# Altium PCB STM32_LED_FROM MUSIC.PcbDoc
Units mm, origin at the board's own origin, x right, y up, seen from the top; angles counter-clockwise.
Board outline 90 x 95 mm, 2 copper layers (Top Layer, Bottom Layer); 50 components, 43 nets, 156 pads, 0 vias.
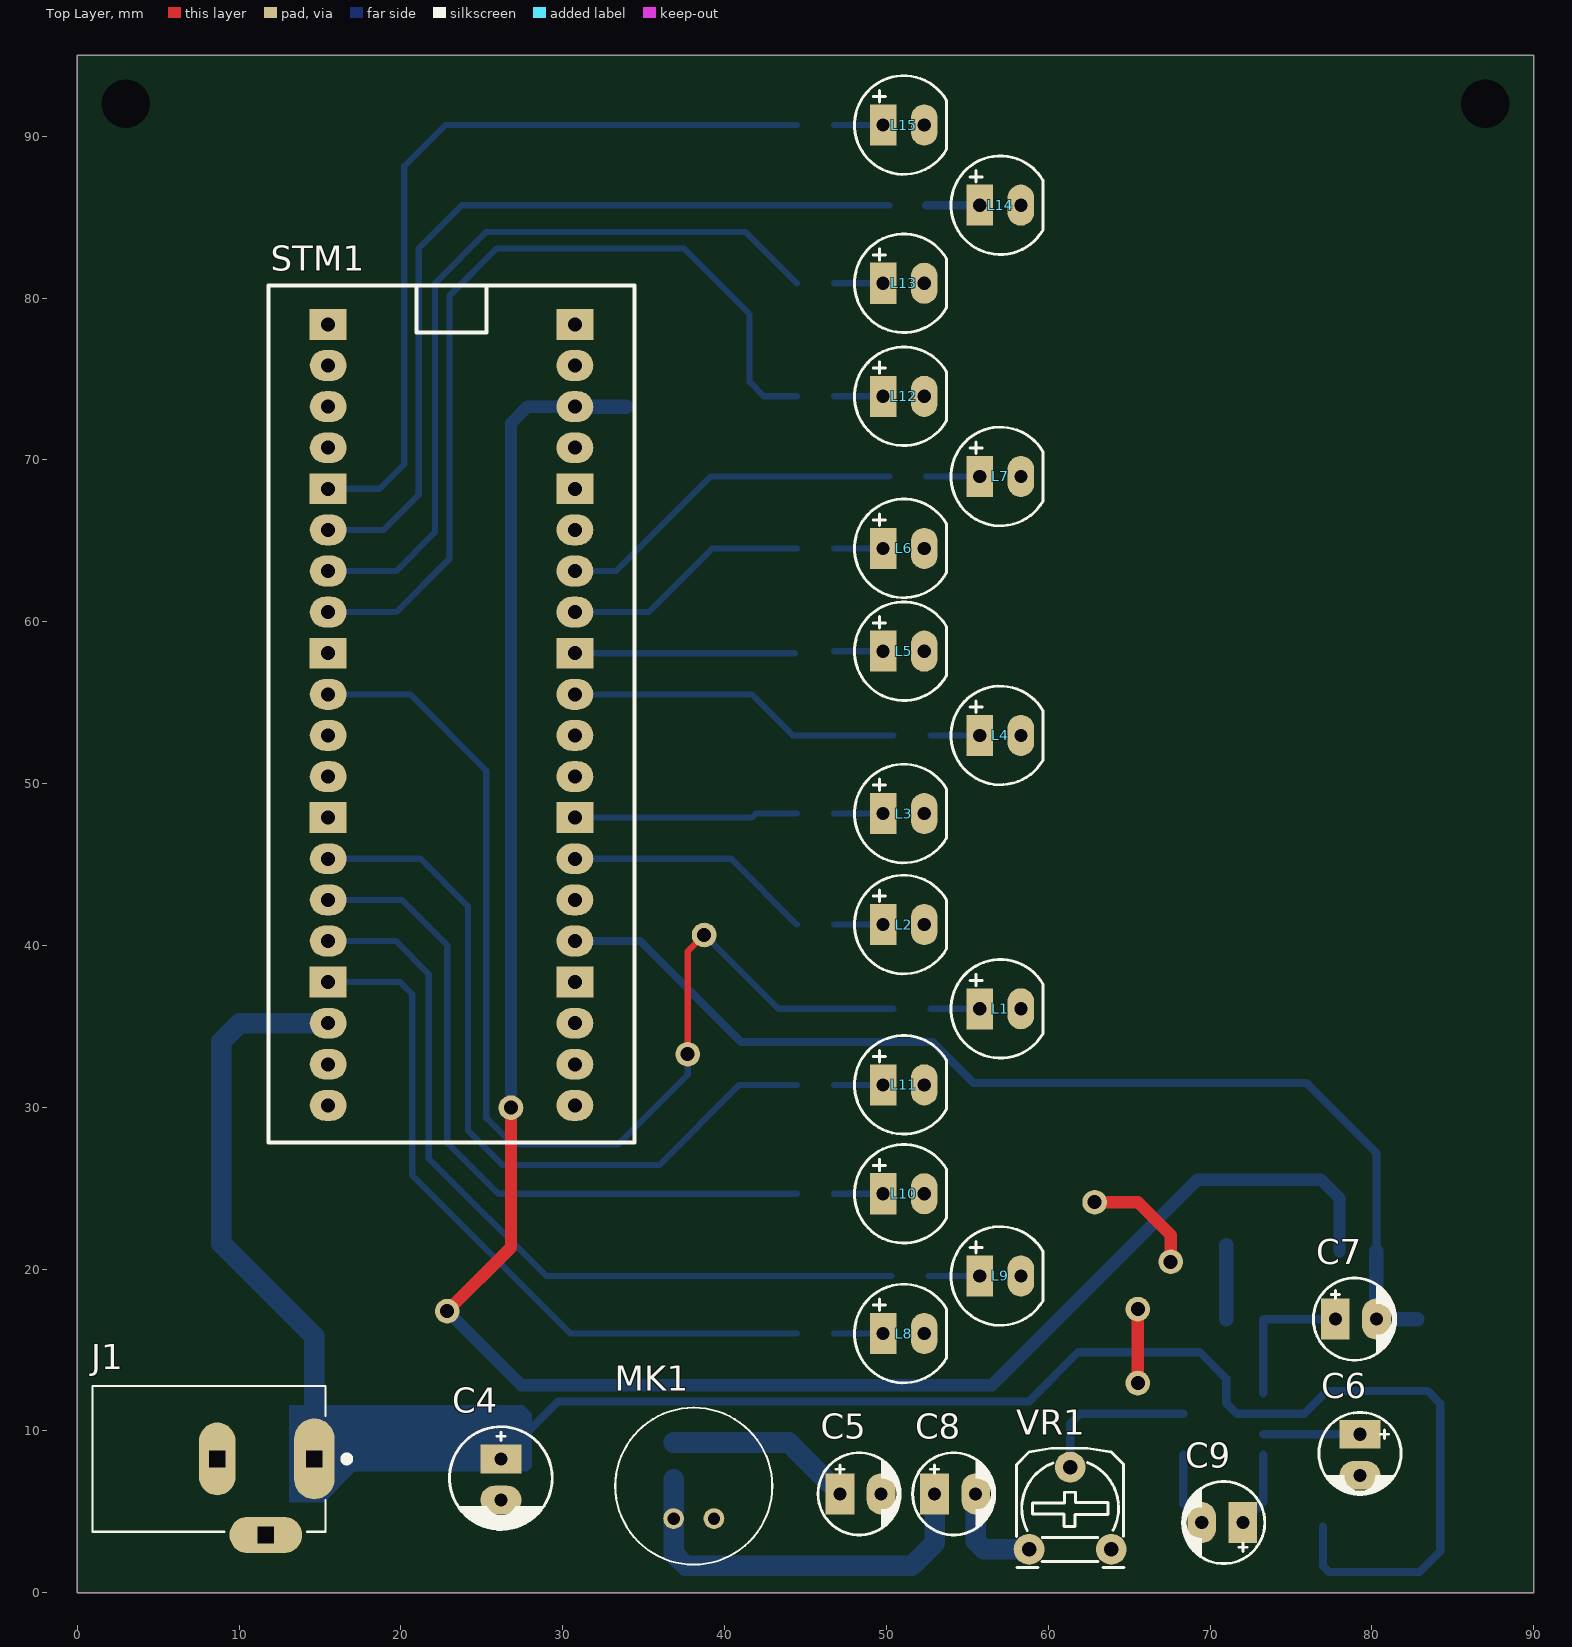
[diagram p0: Top Layer view]
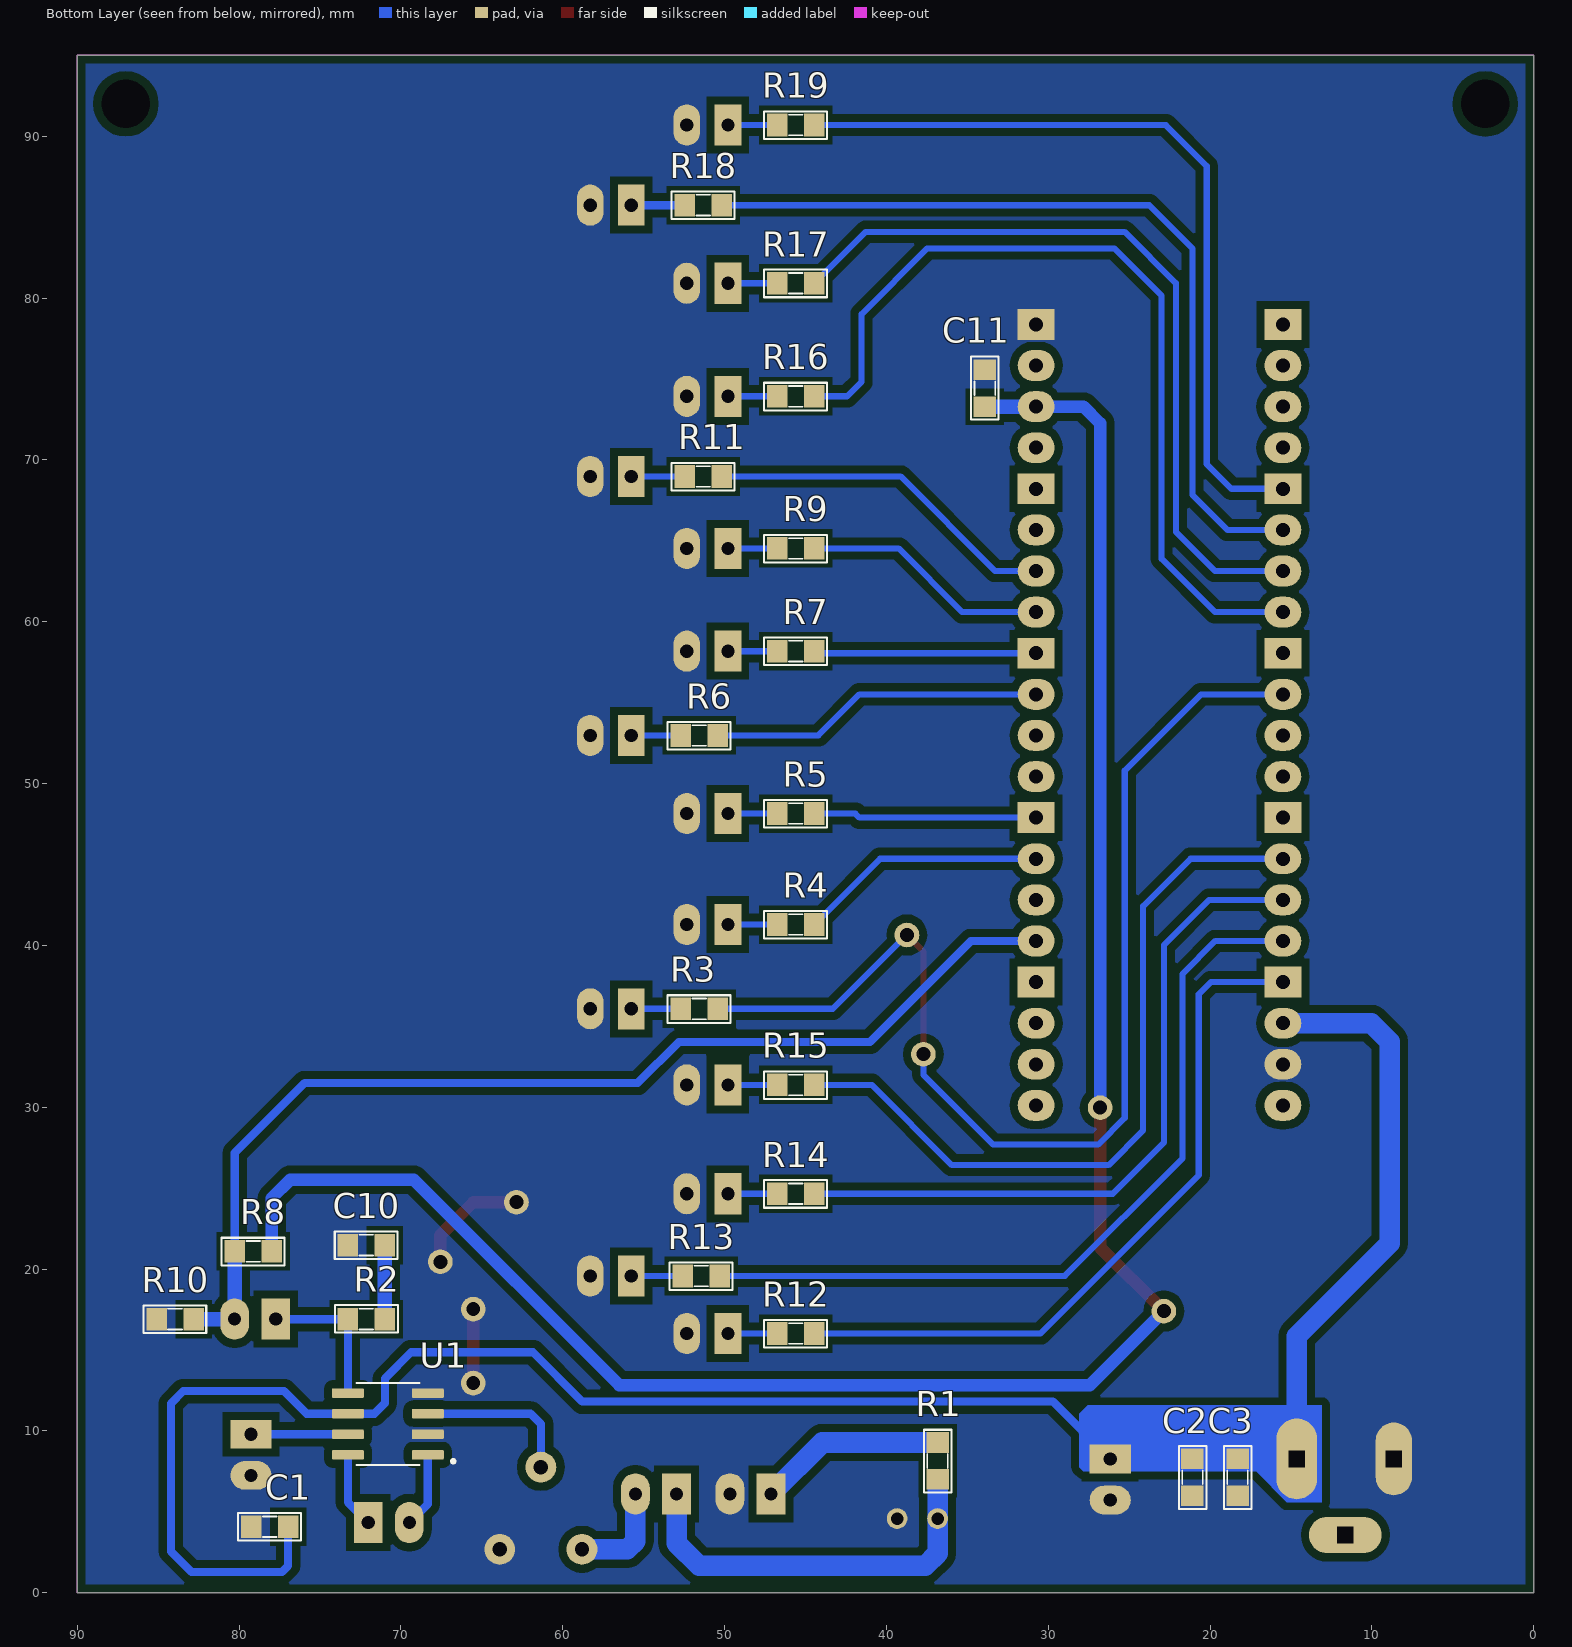
[diagram p1: Bottom Layer view, seen from below]

## Layer stack, top to bottom
Top Solder: solder mask 0.0102, Solder Resist, Dk 3.5
Top Layer: signal copper 0.0356
Dielectric 1: dielectric 0.32, FR-4, Dk 4.8
Bottom Layer: signal copper 0.0356
Bottom Solder: solder mask 0.0102, Solder Resist, Dk 3.5

## Board outline
0,0 0,95 90,95 90,0

## Design rules (kind name [scope] priority, off if disabled: settings)
Clearance Clearance_1 [All vs InPolygon] p1: gap=0.508 ignorepadtopadclearanceinfootprint=FALSE except(0: Arc-Hole Track-Hole SMDPad-Hole THPad-Hole Via-Hole Fill-Hole Poly-Hole Region-Hole Text-Hole)
Clearance [All] p2: gap=0.381 ignorepadtopadclearanceinfootprint=FALSE except(0: Arc-Hole Track-Hole SMDPad-Hole THPad-Hole Via-Hole Fill-Hole Poly-Hole Region-Hole Text-Hole)
PolygonConnect [All] p1: connectstyle=Direct reliefconductorwidth=0.254 reliefentries=4 polygonreliefangle="90 Angle" airgapwidth=0.254
RoomDefinition "STM32_LED_FROM MUSIC" [InComponentClass('STM32_LED_FROM MUSIC')] p1: confinementstyle=ConfineIn formatcopy=TRUE lockcomponents=FALSE outline 135.776,-25.133 175.908,-25.133 175.908,31.001 135.776,31.001
RoutingVias [All] p1: holewidth=0.711 width=0.508 viastyle="Through Hole" minholewidth=0.254 minwidth=0.254 maxholewidth=1.27 maxwidth=1.27
SolderMaskExpansion [All] p1: expansion=0.102 istentingtop=FALSE
Width [All] p1: maxlimit=2.54 minlimit=0.254 preferedwidth=1.27
30 further rules are at their usual default settings.

## Components (designator, comment, footprint, x,y, rotation, side; value= is the part's Value field where it differs from the comment)
C1 "104" "Cap Ceramic 0805" 78.118,4.077 r180 bottom
C2 "104" "Cap Ceramic 0805" 21.095,7.125 r90 bottom
C3 "104" "Cap Ceramic 0805" 18.301,7.125 r90 bottom
C4 "Radial 220uF/25V" "Radial 6.3x12mm" 26.175,6.998 r270 top
C5 "Radial 100uF/16V" "Radial 5x11mm" 48.4,6.109 r0 top
C6 "4.7uF/50V" "Radial 4.7uF/50V" 79.261,8.522 r270 top value=10uF/50V
C7 "Radial 100uF/16V" "Radial 5x11mm" 79.007,16.904 r0 top
C8 "4.7uF/50V" "Radial 4.7uF/50V" 54.242,6.109 r0 top value=10uF/50V
C9 "4.7uF/50V" "Radial 4.7uF/50V" 70.752,4.331 r180 top value=10uF/50V
C10 "104" "Cap Ceramic 0805" 72.136,21.476 r180 bottom
C11 "104" "Cap Ceramic 0805" 33.922,74.435 r270 bottom
J1 "JACK DC 5.5" "JACK DC" 14.649,8.268 r180 top
L1 "LED 5mm" LED-5MM-RED 55.766,36.081 r0 top
L2 "LED 5mm" LED-5MM-RED 49.797,41.288 r0 top
L3 "LED 5mm" LED-5MM-RED 49.797,48.146 r0 top
L4 "LED 5mm" LED-5MM-RED 55.766,52.972 r0 top
L5 "LED 5mm" LED-5MM-RED 49.797,58.179 r0 top
L6 "LED 5mm" LED-5MM-RED 49.797,64.529 r0 top
L7 "LED 5mm" LED-5MM-RED 55.766,68.974 r0 top
L8 "LED 5mm" LED-5MM-RED 49.797,16.015 r0 top
L9 "LED 5mm" LED-5MM-RED 55.766,19.571 r0 top
L10 "LED 5mm" LED-5MM-RED 49.797,24.651 r0 top
L11 "LED 5mm" LED-5MM-RED 49.797,31.382 r0 top
L12 "LED 5mm" LED-5MM-RED 49.797,73.927 r0 top
L13 "LED 5mm" LED-5MM-RED 49.797,80.912 r0 top
L14 "LED 5mm" LED-5MM-RED 55.766,85.738 r0 top
L15 "LED 5mm" LED-5MM-RED 49.797,90.691 r0 top
MK1 "MIC_CMA-6542PF" CUI_CMA-6542PF 38.093,6.585 r90 top
R1 "4.7k" Res_0805 36.843,8.141 r90 bottom
R2 "22R" Res_0805 72.136,16.904 r0 bottom
R3 "10K" Res_0805 51.575,36.081 r180 bottom
R4 "10K" Res_0805 45.606,41.288 r180 bottom
R5 "10K" Res_0805 45.606,48.146 r180 bottom
R6 "10K" Res_0805 51.575,52.972 r180 bottom
R7 "10K" Res_0805 45.606,58.179 r180 bottom
R8 "10K" Res_0805 79.134,21.095 r180 bottom
R9 "10K" Res_0805 45.606,64.529 r180 bottom
R10 "10K" Res_0805 83.96,16.904 r180 bottom
R11 "10K" Res_0805 51.321,68.974 r180 bottom
R12 "10K" Res_0805 45.606,16.015 r180 bottom
R13 "10K" Res_0805 51.448,19.571 r180 bottom
R14 "10K" Res_0805 45.606,24.651 r180 bottom
R15 "10K" Res_0805 45.606,31.382 r180 bottom
R16 "10K" Res_0805 45.606,73.927 r180 bottom
R17 "10K" Res_0805 45.606,80.912 r180 bottom
R18 "10K" Res_0805 51.321,85.738 r180 bottom
R19 "10K" Res_0805 45.606,90.691 r180 bottom
STM1 "KIT STM32" "STM32 blue pill" 23,53.48 r0 top
U1 "LM386" LM358SMD 70.809,10.427 r0 bottom
VR1 "10K" "Bien Tro Tam Giac Dung" 58.814,2.68 r0 top

## Footprints (in the part's own frame and the unit in brackets; to place one, negate y for a bottom-side part, rotate by r counter-clockwise, add the part's x,y. Pads: shape width x height; smd on the part's side, far side on the other; paste and mask are expansions set on the pad)
"Bien Tro Tam Giac Dung" [mil] "RM065"
  round 75 hole 35: 1(0,0) 2(100,200) 3(200,0)
  silkscreen extent -31,-44 231,246, body extent -28,-50 228,228, height 279
"Cap Ceramic 0805" [mil] "Compoment SMD 80x50mil"
  rect 50x55 smd: 1(-45,0) 2(45,0)
  silkscreen extent -77,-34 76,33, body extent -40,-27 40,23, height 24
CUI_CMA-6542PF [mm]
  round 1.278 hole 0.77: GND(-2,-1.25) OUT(-2,1.25)
  silkscreen extent -4.85,-4.85 4.85,4.85
"JACK DC" [mm] "CUI_PJ-002A"
  oval 2.5x5 hole 1 square: 1(0,0)
  oval 2.25x4.5 hole 1 square: 2(6,0)
  oval 4.5x2.25 hole 1 square: 3(3,4.7)
  silkscreen extent -2.2,-4.5 13.7,4.5, body extent -0.74,-4.5 13.66,4.9, height 11.01
LED-5MM-RED [mil] "LED 2 PIN, 5 ly , Only colour,pin to pin 100mil"
  rect 65x100 hole 32: 1(0,0)
  oval 65x100 hole 32: 2(100,0)
  silkscreen extent -70,-120 154,120, body extent -65,-119 149,118, height 339
LM358SMD [mm]
  rrect25% 1.97x0.6 smd: 1(-2.47,1.905) 2(-2.47,0.635) 3(-2.47,-0.635) 4(-2.47,-1.905) 5(2.47,-1.905) 6(2.47,-0.635) 7(2.47,0.635) 8(2.47,1.905)
  silkscreen extent -4.14,-2.52 1.95,2.52, body extent -3,-2.45 3,2.45, height 1.75
"Radial 4.7uF/50V" [mil] "Tu hoa < 22uF/16>50V"
  rect 70x100 hole 32: 1(-50,0)
  oval 70x100 hole 32: 2(50,0)
  silkscreen extent -103,-100 96,100, body extent -98,-98 98,98, height 436
"Radial 5x11mm" [mil] "Tu hoa < 22uF/16>50V"
  rect 70x100 hole 32: 1(-50,0)
  oval 70x100 hole 32: 2(50,0)
  silkscreen extent -103,-100 97,100, body extent -98,-98 98,98, height 433
"Radial 6.3x12mm" [mil] "TU_HOA(47uF---220uF/16V,25V)"
  rect 70x100 hole 32: 1(-50,0)
  oval 70x100 hole 32: 2(50,0)
  silkscreen extent -128,-125 122,125, body extent -124,-124 124,124, height 472
Res_0805 [mil]
  rect 50x55 smd: 1(-45,0) 2(45,0)
  silkscreen extent -77,-34 76,33, body extent -62,-28 56,27, height 21
"STM32 blue pill" [mil]
  rect 90x75 hole 34: 1(-295,980) 5(-295,580) 9(-295,180) 13(-295,-220) 17(-295,-620) 21(305,980) 25(305,580) 29(305,180) 33(305,-220) 37(305,-620)
  oval 90x75 hole 34: 2(-295,880) 3(-295,780) 4(-295,680) 6(-295,480) 7(-295,380) 8(-295,280) 10(-295,80) 11(-295,-20) 12(-295,-120) 14(-295,-320) 15(-295,-420) 16(-295,-520) 18(-295,-720) 19(-295,-820) 20(-295,-920) 22(305,880) 23(305,780) 24(305,680) 26(305,480) 27(305,380) 28(305,280) 30(305,80) 31(305,-20) 32(305,-120) 34(305,-320) 35(305,-420) 36(305,-520) 38(305,-720) 39(305,-820) 40(305,-920)
  silkscreen extent -440,-1010 450,1075, body extent -440,-1013 450,1073, height 737

## Part data
C1 C2 C3 C10 C11: library part "CAP Ceramic SMD", "Cap Ceramic SMD"
C6 C8 C9: library part "Radial 4.7uF/50V", "Radial 4.7uF/50V", Description 1="10 => 220uF/6,3V/10V - 10uF => 100uF/16V", Description 2="0,1uF => 33uF/50V - 10uF => 22uF/63V", Description 3="0,47uF => 10uF/100V"
J1: "2,0 x 6,5 mm, 2,5 A, Yatay, AÃ§Ä±k Delik, Dc GÃ¼Ã§ JakÄ± KonnektÃ¶rÃ¼", Package=None, Availability=Unavailable, CUI_purchase_URL=https://www.cuidevices.com/product/interconnect/connectors/dc-power-connectors/jacks/pj-002a?utm_source=snapeda.com&utm_medium=referral&utm_campaign=snapedaBOM, MF="CUI Devices", MP=PJ-002A, Price=None, SnapEDA_Link=https://www.snapeda.com/parts/PJ-002A/CUI%20Devices/view-part/287588/?ref=snap
L1 L2 L3 L4 L5 L6 L7 L8 L9 L10 L11 L12 L13 L14 L15: library part "LED 5mm Red", "Cắm", Chung_Loai=Cắm, Don_Vi=Con, Ma_Hang=MH008967, Ten_Linh_Kien="Led 5MM Phủ Đỏ (1000c)"
MK1: "9.7 mm, Omnidirectional, PCB Mount, 4.5 Vdc, Electret Condenser Microphone", Package=None, Availability="In Stock", Check_prices=https://www.snapeda.com/parts/CMA-6542PF/CUI+Devices/view-part/?ref=eda, CUI_purchase_URL=https://www.cuidevices.com/product/audio/microphones/electret-condenser-microphones/cma-6542pf?utm_source=snapeda.com&utm_medium=referral&utm_campaign=snapedaBOM, MF="CUI Devices", MP=CMA-6542PF, Price=None, Purchase-URL=https://pricing.snapeda.com/search/part/CMA-6542PF/?ref=eda, SnapEDA_Link=https://www.snapeda.com/parts/CMA-6542PF/CUI+Devices/view-part/?ref=snap
R1 R2 R3 R4 R5 R6 R7 R8 R9 R10 R11 R12 R13 R14 R15 R16 R17 R18 R19: library part "Res SMD"
STM1: library part "STM32 BLUE PILL", "STM32 BLUE PILL"
U1: "low voltage audio power amplifier", Package=None, Availability=Unavailable, MP=LM386, Price=None
VR1: library part "Potentiometer triangle lie", "Cắm", Chung_Loai=Cắm, Don_Vi=Con, Ma_Hang=MH000919, Ten_Linh_Kien="Biến Trở Tam Giác 103-10K RM065 (Chân Đứng)"

## Free pads (board coordinates)
  round 1.524 hole 0.864: 2(22.86,17.399) 2(26.797,29.972) 2(37.719,33.274) 2(38.735,40.64) 2(62.865,24.13) 2(65.532,12.954) 2(65.532,17.526) 2(67.564,20.447)
  round 0.635 hole 3: q(3,91.996) q(87,92)

## Nets (pads, with @x,y where several pads share a name; then routed paths per layer and width w, separated by ;. In a path a pad name is that pad's centre, name@x,y a point inside that pad or via, vN(x,y) a via of type N, cw(c..) or ccw(c..) an arc to the next point about the centre after c; other vN are vias at no path point)
+3V3: C11.2 pad.2@22.86,17.399 pad.2@26.797,29.972 R8.2 STM1.23 | length 130.1
  Top Layer w0.762: pad.2@22.86,17.399 26.797,21.336 pad.2@26.797,29.972
  Bottom Layer w0.762: pad.2@22.86,17.399 27.432,12.827 56.515,12.827 69.215,25.527 76.835,25.527 77.991,24.371 R8.2 ; pad.2@26.797,29.972 26.797,72.263 27.826,73.292 STM1.23
  Bottom Layer w0.889: STM1.23 C11.2
+5: C1.2 C2.2 C3.2 C4.1 J1.1 STM1.18 U1.6 | length 118.8
  Bottom Layer w0.508: C4.1 29.718,11.811 58.801,11.811 61.849,14.859 69.367,14.859 70.993,13.234 70.993,11.71 71.641,11.062 U1.6 75.832,11.062 77.229,12.459 83.452,12.459 84.214,11.697 84.214,2.553 82.944,1.283 77.356,1.283 76.975,1.664 C1.2
  Bottom Layer w1.27: J1.1 14.649,15.857 8.903,21.603 8.903,34.049 10.046,35.192 STM1.18
GND: C1.1 C2.1 C3.1 C4.2 C5.2 C6.2 C10.1 C11.1 J1.2 L1.2 L2.2 L3.2 L4.2 L5.2 L6.2 L7.2 L8.2 L9.2 L10.2 L11.2 L12.2 L13.2 L14.2 L15.2 MK1.GND pad.2@62.865,24.13 pad.2@65.532,12.954 pad.2@65.532,17.526 pad.2@67.564,20.447 R10.1 STM1.19 STM1.21 U1.2 U1.4 VR1.3 | length 11.8
  Top Layer w0.762: pad.2@62.865,24.13 65.532,24.13 67.564,22.098 pad.2@67.564,20.447 ; pad.2@65.532,12.954 pad.2@65.532,17.526
LED1: pad.2@37.719,33.274 pad.2@38.735,40.64 R3.2 STM1.10 | length 70.7
  Top Layer w0.381: pad.2@37.719,33.274 37.719,39.624 pad.2@38.735,40.64
  Bottom Layer w0.381: STM1.10 20.561,55.512 25.273,50.8 25.273,29.337 26.924,27.686 33.401,27.686 37.719,32.004 pad.2@37.719,33.274 ; pad.2@38.748,40.653 43.32,36.081 R3.2
LED2: R4.2 STM1.34 | length 15.4
  Bottom Layer w0.381: STM1.34 40.399,45.352 R4.2
LED3: R5.2 STM1.33 | length 13.8
  Bottom Layer w0.381: STM1.33 41.669,47.892 41.923,48.146 R5.2
LED4: R6.2 STM1.30 | length 20.7
  Bottom Layer w0.381: STM1.30 41.669,55.512 44.209,52.972 R6.2
LED5: R7.2 STM1.29 | length 13.6
  Bottom Layer w0.381: STM1.29 R7.2@44.336,58.052
LED6: R9.2 STM1.28 | length 15.3
  Bottom Layer w0.381: STM1.28 35.319,60.592 39.256,64.529 R9.2
LED7: R11.2 STM1.27 | length 21.9
  Bottom Layer w0.381: STM1.27 33.287,63.132 39.129,68.974 R11.2
LED8: R12.2 STM1.17 | length 44.5
  Bottom Layer w0.381: STM1.17 19.952,37.732 20.701,36.982 20.701,25.806 30.493,16.015 R12.2
LED9: R13.2 STM1.16 | length 50.1
  Bottom Layer w0.381: STM1.16 19.672,40.272 21.717,38.227 21.717,26.822 28.969,19.571 R13.2
LED10: R14.2 STM1.15 | length 43.6
  Bottom Layer w0.381: STM1.15 20.053,42.812 22.86,40.005 22.86,27.813 26.022,24.651 R14.2
LED11: R15.2 STM1.14 | length 47
  Bottom Layer w0.381: STM1.14 21.209,45.352 24.143,42.418 24.143,28.562 26.276,26.429 35.954,26.429 40.907,31.382 R15.2
LED12: R16.2 STM1.8 | length 54
  Bottom Layer w0.381: STM1.8 19.698,60.592 23,63.894 23,80.15 25.921,83.071 37.478,83.071 41.542,79.007 41.542,74.816 42.431,73.927 R16.2
LED13: R17.2 STM1.7 | length 48
  Bottom Layer w0.381: STM1.7 19.698,63.132 22.111,65.545 22.111,80.912 25.286,84.087 41.288,84.087 R17.2
LED14: R18.2 STM1.6 | length 51.9
  Bottom Layer w0.381: STM1.6 18.936,65.672 21.095,67.831 21.095,83.071 23.762,85.738 R18.2
LED15: R19.2 STM1.5 | length 49.1
  Bottom Layer w0.381: STM1.5 18.682,68.212 20.206,69.736 20.206,88.151 22.746,90.691 R19.2
NetC5_1: C5.1 R1.2 | length 11.6
  Bottom Layer w1.27: R1.2 43.955,9.284 C5.1
NetC6_1: C6.1 U1.7 | length 6
  Bottom Layer w0.508: U1.7 C6.1
NetC7_1: C7.1 R2.2 U1.5 | length 9
  Bottom Layer w0.508: U1.5 R2.2 C7.1
NetC8_1: C8.1 MK1.OUT R1.1 | length 24.6
  Bottom Layer w1.27: R1.1 MK1.OUT 36.843,2.426 37.605,1.664 51.575,1.664 52.972,3.061 C8.1
NetC8_2: C8.2 VR1.1 | length 6.4
  Bottom Layer w1.27: C8.2 55.512,3.188 56.02,2.68 VR1.1
NetC9_1: C9.1 U1.8 | length 4.7
  Bottom Layer w0.508: C9.1 73.279,5.588 U1.8
NetC9_2: C9.2 U1.1 | length 4.7
  Bottom Layer w0.508: U1.1 68.339,5.474 C9.2
NetC10_2: C10.2 R2.1 | length 4.6
  Bottom Layer w0.889: R2.1 C10.2
NetL1_1: L1.1 R3.1 | length 3
  Bottom Layer w0.381: R3.1 L1.1
NetL2_1: L2.1 R4.1 | length 3
  Bottom Layer w0.381: R4.1 L2.1
NetL3_1: L3.1 R5.1 | length 3
  Bottom Layer w0.381: R5.1 L3.1
NetL4_1: L4.1 R6.1 | length 3
  Bottom Layer w0.381: R6.1 L4.1
NetL5_1: L5.1 R7.1 | length 3
  Bottom Layer w0.381: R7.1 L5.1
NetL6_1: L6.1 R9.1 | length 3
  Bottom Layer w0.381: R9.1 L6.1
NetL7_1: L7.1 R11.1 | length 3.3
  Bottom Layer w0.381: R11.1 L7.1
NetL8_1: L8.1 R12.1 | length 3
  Bottom Layer w0.381: R12.1 L8.1
NetL9_1: L9.1 R13.1 | length 3.2
  Bottom Layer w0.381: R13.1 L9.1
NetL10_1: L10.1 R14.1 | length 3
  Bottom Layer w0.381: R14.1 L10.1
NetL11_1: L11.1 R15.1 | length 3
  Bottom Layer w0.381: R15.1 L11.1
NetL12_1: L12.1 R16.1 | length 3
  Bottom Layer w0.381: R16.1 L12.1
NetL13_1: L13.1 R17.1 | length 3
  Bottom Layer w0.381: R17.1 L13.1
NetL14_1: L14.1 R18.1 | length 3.3
  Bottom Layer w0.508: R18.1 L14.1
NetL15_1: L15.1 R19.1 | length 3
  Bottom Layer w0.381: R19.1 L15.1
NetU1_3: U1.3 VR1.2 | length 9.9
  Bottom Layer w0.508: VR1.2 61.354,10.427 61.989,11.062 U1.3
SIGNAL: C7.2 R8.1 R10.2 STM1.36 | length 67.8
  Bottom Layer w0.508: STM1.36 34.785,40.272 41.021,34.036 52.832,34.036 55.372,31.496 75.946,31.496 80.277,27.165 R8.1
  Bottom Layer w0.889: R8.1 C7.2 R10.2
pads on no net: J1.3 STM1.1 STM1.2 STM1.3 STM1.4 STM1.9 STM1.11 STM1.12 STM1.13 STM1.20 STM1.22 STM1.24 STM1.25 STM1.26 STM1.31 STM1.32 STM1.35 STM1.37 STM1.38 STM1.39 STM1.40

## Polygon pours and split planes (outlines as drawn)
GND on Bottom Layer "Ground" (solid, pour order 0): 0,95 0,0 90,0 90,95

## Keep-outs
Keep-Out Layer:
  the board outline again, w0.025

## Other copper
Bottom Layer:
  region net +5: 13.094,5.601 15.253,5.601 17.158,7.506 27.826,7.506 28.08,7.76 28.08,11.062 27.572,11.57 13.094,11.57